# Altium PCB CMTestBoardV2.PcbDoc (part 2 of 2)
Units mil, origin at the board's own origin, x right, y up, seen from the top; angles counter-clockwise.
Board outline 3745.87 x 3955.48 mil, 4 copper layers (Top Layer, Layer 1, Layer 2, Bottom Layer), stack 22.4 mil thick; 99 components, 95 nets, 736 pads, 278 vias.
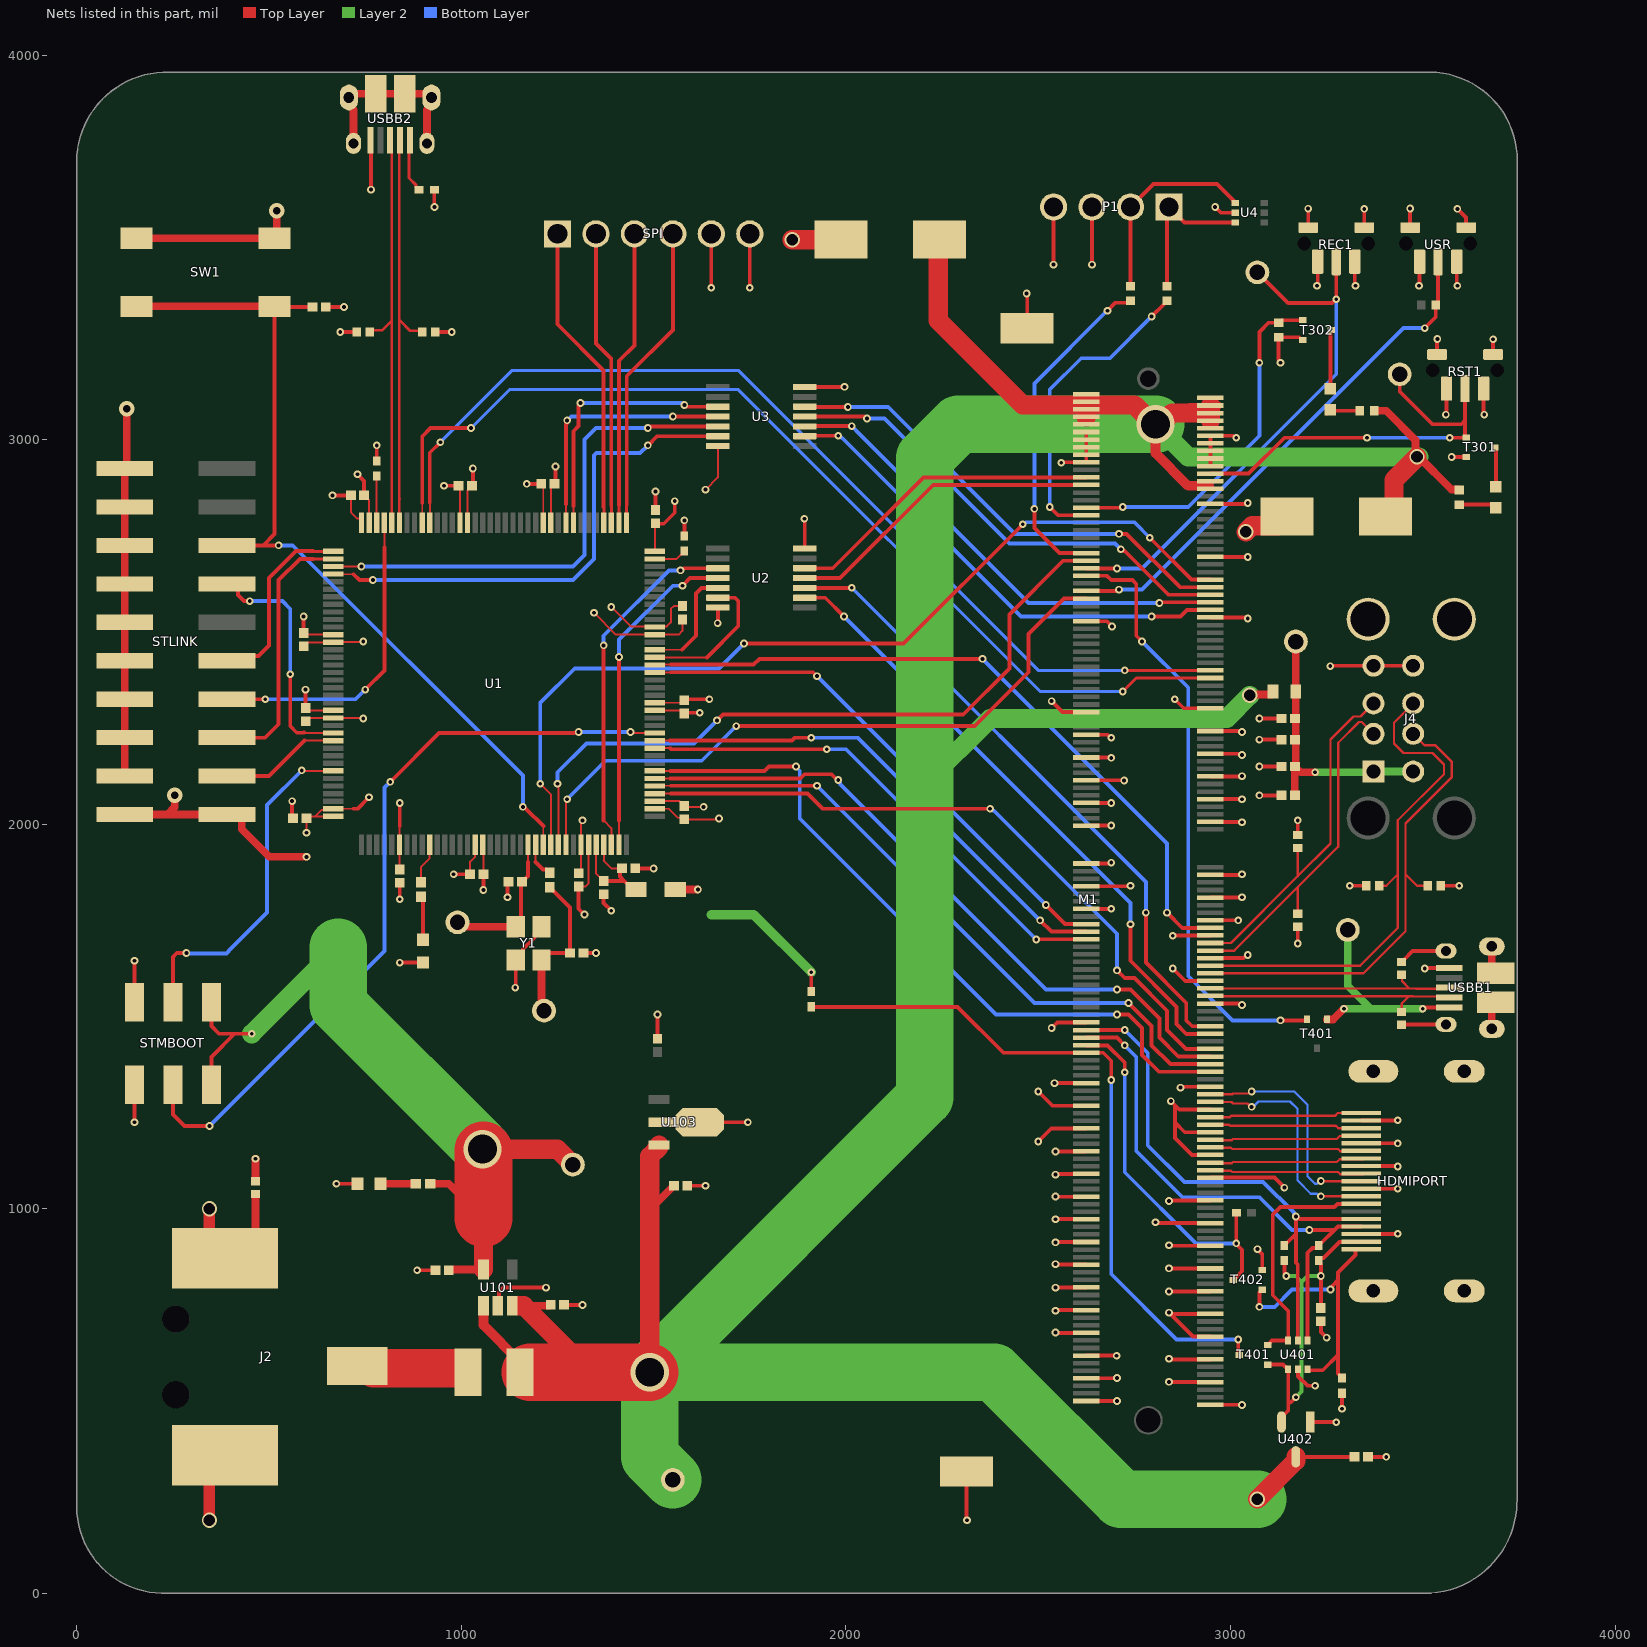
[diagram p4: the nets of this part, all layers, seen from the top]

## Via types
v1: diameter 20, hole 10, Top Layer to Bottom Layer, tented both sides, 245 vias
v2: diameter 40, hole 30, Top Layer to Bottom Layer, tented both sides, 11 vias
v3: diameter 20, hole 10, Top Layer to Bottom Layer, 10 vias
v4: diameter 150, hole 135, Top Layer to Bottom Layer, 4 vias
v5: diameter 100, hole 75, Top Layer to Bottom Layer, tented both sides, 3 vias
v6: diameter 40, hole 20, Top Layer to Bottom Layer, tented both sides, 3 vias
v7: diameter 40, hole 30, Top Layer to Bottom Layer, 2 vias

## Nets (pads, with @x,y where several pads share a name; then routed paths per layer and width w, separated by ;. In a path a pad name is that pad's centre, name@x,y a point inside that pad or via, vN(x,y) a via of type N, cw(c..) or ccw(c..) an arc to the next point about the centre after c; other vN are vias at no path point) (continued)
3.3V: C102.1 C206.1 C207.1 C208.1 C209.1 C210.1 C211.1 C212.1 C213.1 C214.1 C215.1 C216.1 C217.1 C218.1 FB1.1 R101.2 R404.2 STLINK.1 STLINK.2 STMBOOT.1 STMBOOT.2 TP2.1 U1.6 U1.17 U1.30 U1.39 U1.52 U1.62 U1.72 U1.84 U1.95 U1.108 U1.121 U1.131 U1.143 U1.144 U2.14 U3.14 U101.5 | length 5467.3
  Top Layer w5: C209.1@590,2462.68 590,2463.27 599.7,2472.97 666.4,2472.97 U1.121@666.69,2473.27 738.27,2473.27 v1@740,2475 ; v3(597.32,1977.68) C218.1@597.32,2015 602.83,2020.51 620,2020.51 ; C208.1@600,2276.42 U1.131@666.69,2276.42 743.58,2276.42 v1(745,2275) ; U1.144@666.69,2020.51 620,2020.51 ; C210.1@712.68,2855 712.68,2811.14 729.05,2794.77 736.12,2794.77 740.51,2790.38 U1.108@740.51,2783.31 ; 720,2040 719.8,2040.2 U1.143@666.69,2040.2 663.16,2036.67 636.15,2036.67 620,2020.51 ; C207.1@840,1882.32 838.94,1883.39 U1.6@838.94,1946.69 838.94,1993.94 840,1995 ; C211.1@992.68,2880 996.42,2876.26 U1.95@996.42,2783.31 ; U1.17@1055.47,1946.69 1057.32,1944.84 C206.1@1057.32,1870 ; C212.1@1207.68,2885 1212.95,2879.72 U1.84@1212.95,2783.31 ; C216.1@1305,1872.32 1311.38,1878.7 U1.30@1311.38,1946.69 1311.38,2002.32 1315,2005.94 v3(1315,2010) ; v1(1390,2565) 1440.55,2514.45 1534.45,2514.45 1545,2525 1545,2560 1552.32,2567.32 C213.1@1575,2567.32 ; U1.39@1503.31,2059.88 1567.37,2059.88 1569.63,2057.62 1570.3,2057.62 1580,2047.91 C215.1@1580,2047.32 1582.32,2045 v3(1630,2045) ; U1.52@1503.31,2315.79 1573.46,2315.79 C214.1@1580,2322.32 ; U1.72@1503.31,2709.49 C217.1@1503.31,2780.98 ; v3(1635,2870) 1667.01,2902.01 U3.14@1667.01,2983.23
  Top Layer w10: STMBOOT.2@350,1322.52 350,1395 410,1455 ; STMBOOT.1@350,1537.48 350,1475 370,1455 410,1455 ; v3(455,1455) 410,1455 ; v1(665,2855) C210.1@712.68,2855 ; 720,2040 730,2040 v1(760,2070) ; 840,1995 v1(840,2055) ; v1(955,2880) C211.1@992.68,2880 ; v1(1057.21,1829.13) 1057.32,1829.25 C206.1@1057.32,1870 ; v1(1170,2885) C212.1@1207.68,2885 ; C217.1@1503.31,2780.98 1503.67,2781.35 1526.35,2781.35 1555,2810 v1(1555,2840) ; C214.1@1580,2322.32 1582.68,2325 v1(1645,2325) ; v3(1666.51,2522.91) 1667.01,2523.41 U2.14@1667.01,2563.23 ; R404.2@1910,1564.69 v1(1910,1615)
  Top Layer w20: STLINK.2@132.97,2032.97 STLINK.2@125,2025 235,2025 ; v6(255,2075) 254.64,2074.64 254.64,2044.64 235,2025 ; v3(597.32,1915) 500.75,1915 428.72,1987.03 428.72,2015.31 419.03,2025 STLINK.1@390.75,2025 235,2025 ; R101.2@918.7,1065 967.6,1065 1057.6,975 ; C102.1@964.94,837.8 C102.1@970.12,837.8 ; 980.16,842.24 U101.5@1057.6,842.24 ; FB1.1@1556.18,1830 v1(1615,1830)
  Top Layer w50: U101.5@1057.6,842.24 1057.6,975 ; v5@1057.6,1152.4 v5(1055,1155) 1250,1155 TP2.1@1290,1115
  Top Layer w150: 1057.6,975 v5@1057.6,1152.4
  Layer 2 w25: 1650,1765 1760,1765 v1(1910,1615)
  Layer 2 w50: v3(455,1455) 680,1680
  Layer 2 w150: 680,1680 680,1530 v5(1055,1155)
  other v1: 745,2475
5V_COMPUTE: C101.1 C105.1 C301.1 C302.1 C405.1 F1.2 M1.235 M1.237 M1.251 M1.252 M1.253 M1.254 M1.255 M1.256 M1.257 M1.258 M1.259 M1.260 R305.1 R306.1 SJ401.2 TP1.1 U101.1 U101.3 U103.3 U402.3 | length 10837.8
  Top Layer w10: U402.3@3170,355 C405.1@3322.49,355
  Top Layer w20: U101.3@1132.4,747.76 1150,747.76 ; 1162.24,747.76 1229.84,747.76 1232.09,750 C101.1@1232.68,750 ; 1490,990 1490,997.32 1549.88,1057.2 1549.88,1057.8 1552.09,1060 C105.1@1552.68,1060 ; M1.255@2938.39,3069.69 2943.15,3069.69 2943.52,3068.1 M1.253@2947.83,3049.41 ; M1.257@2947.83,3088.78 M1.257@2968.19,3088.78 ; v2(3050,2335) 3052.28,2337.28 3106.69,2337.28 3110.47,2341.06 SJ401.2@3110.47,2345 ; R306.1@3373.9,3075 3405,3075 3481.17,2998.83 3481.17,2958.83 v2(3485,2955) ; v2@3487.5,2957.5 3574.88,2870.12 3593.78,2870.12 R305.1@3595,2868.9
  Top Layer w25: U101.1@1057.6,747.76 1057.6,697.28 1152.91,601.97 F1.2@1152.91,575 ; v5(2805,3040) 2805,2965 2890,2880 2945,2880
  Top Layer w50: 1150,747.76 1162.24,747.76 1335,575 ; v5(1490,575) 1490,990 ; 1490,997.32 1490,1136.66 1513.7,1160.36 U103.3@1513.7,1165.94 ; C301.1@2242.95,3520 2240,3517.05 2240,3310 2459.68,3090.32 2625,3090.32 ; M1.254@2625,3059.25 M1.256@2625,3078.94 2625,3090.32 ; M1.255@2938.39,3069.69 2896.74,3069.69 2896.15,3069.09 2847.62,3069.09 2818.53,3040 v5(2805,3040) 2800.71,3040 2750.55,3090.16 2682.83,3090.16 2682.67,3090.32 2625,3090.32 ; M1.253@2947.83,3049.41 M1.255@2947.83,3069.09 M1.257@2947.83,3088.78 ; v2(3070,245) 3170,345 U402.3@3170,355 ; C302.1@3402.95,2800 3424.92,2821.97 3424.92,2894.92 v2(3485,2955)
  Top Layer w150: F1.2@1180,575 1335,575 v5(1490,575)
  Layer 2 w50: 2205,2105 2375,2275 2990,2275 v2(3050,2335) ; v5(2805,3040) 2890,2955 v2(3485,2955) v2@3490,2955
  Layer 2 w150: TP1.1@1550,295 1490,355 v5(1490,575) ; v5(2805,3040) 2292.87,3040 2205,2952.13 2205,2105 2205,1290 v5(1490,575) ; v2(3070,245) 2715,245 2385,575 v5(1490,575)
#RECOVERY: M1.214 REC1.2 TP6.1 | length 1394.4
  Top Layer w10: M1.214@2625,2665.55 2625.55,2665 v1(2705,2665) ; TP6.1@3070,3435 3150,3355 3264.14,3355 3274.14,3365 v1(3275,3365) REC1.2@3275,3462.76
  Bottom Layer w10: v1(2705,2665) 2770,2665 3275,3170 v1(3275,3365)
#RESET: M1.239 RST1.2 T301.1 TP5.1 | length 1086.3
  Top Layer w10: M1.239@2947.83,2911.61 3046.61,2911.61 3140,3005 v3(3355,3005) ; TP5.1@3440,3170 3440,3125 3525,3040 3600,3040 3610,3050 ; v3(3570,3005) 3612.01,3005 T301.1@3612.6,3005.59 3610,3008.19 3610,3050 ; RST1.2@3610,3132.76 3610,3050
  Bottom Layer w10: v3(3355,3005) v3(3570,3005)
ADC_EN1V8: M1.124 U1.46 | length 1328.2
  Top Layer w5: U1.46@1503.31,2197.68 1542.68,2197.68
  Top Layer w10: 1542.68,2197.68 1545.35,2195 v1(1950,2195) ; v1(2495,1700) 2495.98,1700.98 M1.124@2625,1700.98
  Bottom Layer w10: v1(1950,2195) 2000,2195 v1(2495,1700)
BOOT0: STMBOOT.3 U1.138 | length 901.3
  Top Layer w5: v1(585,2140) 586.38,2138.62 U1.138@666.69,2138.62
  Top Layer w10: STMBOOT.3@250,1537.48 250,1655 260,1665 v1(285,1665)
  Bottom Layer w10: v1(285,1665) 286.52,1663.48 389.14,1663.48 395,1669.34 395,1670 495,1770 495,2050 v1(585,2140)
BOOT1: STMBOOT.4 U1.48 | length 2018
  Top Layer w5: v1(1440,2240) 1444.06,2240 1447.01,2237.05 U1.48@1503.31,2237.05
  Top Layer w10: STMBOOT.4@250,1322.52 250,1245 280,1215 v1(345,1215) ; v1(815,2110) 941.91,2236.91 1294.84,2236.91 1296.02,2238.09 1303.09,2238.09 v1(1305,2240)
  Bottom Layer w10: v1(345,1215) 800,1670 800,2095 v1(815,2110) ; v1(1305,2240) v1(1440,2240)
CBOX_RX_1.8: M1.238 U2.5 | length 829.8
  Top Layer w10: U2.5@1892.99,2665.59 1965.59,2665.59 2201.77,2901.77 M1.238@2625,2901.77
CBOX_RX_3.3: U1.34 U2.10 | length 920.5
  Top Layer w5: 1370,2010 1390.12,1989.88 U1.34@1390.12,1946.69
  Top Layer w10: 1370,2010 v1(1370,2465) ; v1(1570,2660) 1572.71,2660 1578.3,2665.59 U2.10@1667.01,2665.59
  Bottom Layer w10: v1(1370,2465) 1370,2490 1540,2660 v1@1569.14,2660
CBOX_TX_1.8: M1.236 U2.4 | length 832.3
  Top Layer w10: U2.4@1892.99,2640 1985,2640 2227.09,2882.09 M1.236@2625,2882.09
CBOX_TX_3.3: U1.35 U2.11 | length 856.7
  Top Layer w5: U1.35@1409.8,1946.69 1409.8,2009.8 1410,2010
  Top Layer w10: 1410,2010 v1(1410,2435) ; v1(1575,2620) 1595,2640 U2.11@1667.01,2640
  Bottom Layer w10: v1(1410,2435) 1410,2480 1550,2620 v1(1575,2620)
CEC: HDMIPORT.13 T401.2@3097.4,645.59 U401.6 | length 643.1
  Top Layer w10: T401.2@3096.95,646.04 3108.31,657.4 U401.6@3149.41,657.4 3150,657.99 3150,735 3110,775 3110,985 3130,1005 3270,1005 3277.83,1012.83 HDMIPORT.13@3340,1012.83
CHGND: D101.2 D201.2 D202.2 D401.2 D402.2 D403.2 D404.2 D405.2 D406.2 HDMIPORT.2 HDMIPORT.5 HDMIPORT.8 HDMIPORT.11 HDMIPORT.17 HDMIPORT.Shell J4.10 J4.12 REC1.SH1 REC1.SH2 RST1.SH1 RST1.SH2 U4.2 U401.2 USBB1.6 USBB1.7 USBB1.8 USBB1.9 USBB1.10 USBB1.11 USBB2.6 USBB2.7 USBB2.8 USBB2.9 USBB2.10 USBB2.11 USR.SH1 USR.SH2 | length 2156
  Top Layer w10: v1(685,3280) D202.2@728.27,3280 ; USBB2.8@717.56,3899.57 USBB2.8@707.72,3889.72 707.72,3869.8 719.53,3857.99 ; 910.47,3857.99 922.28,3869.8 USBB2.9@922.28,3889.72 USBB2.9@912.44,3899.57 ; D201.2@931.73,3280 v1(975,3280) ; v1(2960,3605) 2975,3590 U4.2@3012.6,3590 ; U401.2@3175,582.6 3175.67,581.93 3175.67,564.33 3200,540 v1(3220,540) ; v1(3175,1690) D403.2@3175,1733.27 ; D406.2@3175,1971.73 v1(3175,2010) ; v1(3201.85,3600.58) 3202.17,3600.26 REC1.SH1@3202.17,3551.34 ; v1(3310,1840) D405.2@3353.27,1840 ; HDMIPORT.17@3340,934.09 3434.09,934.09 v1(3435,935) ; HDMIPORT.11@3340,1052.2 3436.67,1052.2 v1@3436.97,1051.91 ; HDMIPORT.8@3340,1111.26 3433.74,1111.26 v1(3435,1110) ; HDMIPORT.5@3340,1170.31 3434.69,1170.31 v1(3435,1170) ; HDMIPORT.2@3340,1229.37 3429.37,1229.37 v1@3430,1230 ; REC1.SH2@3347.83,3551.34 v1(3347.83,3600.13) ; D401.2@3445,1478.27 3446.26,1479.53 USBB1.6@3560.43,1479.53 ; D402.2@3445,1641.73 3445.98,1641.73 3451.81,1647.56 3451.81,1648.54 3473.74,1670.47 USBB1.7@3560.43,1670.47 ; USR.SH1@3467.17,3551.34 v1(3467.21,3600.81) v1(3467.21,3600.81) ; RST1.SH1@3537.17,3221.34 3537.17,3261.18 v1(3537.89,3261.91) ; D404.2@3546.73,1840 v1(3595,1840) ; HDMIPORT.Shell@3574.71,809.12 3597.37,786.46 HDMIPORT.Shell@3607.72,786.46 ; HDMIPORT.Shell@3574.71,1334.66 3597.37,1357.32 HDMIPORT.Shell@3607.72,1357.32 ; v1(3590,3600) 3612.83,3577.17 USR.SH2@3612.83,3551.34 ; RST1.SH2@3682.83,3221.34 3682.83,3260.85 v1(3682.97,3260.98)
  Top Layer w20: D101.2@465,1071.73 v1(465,1130) ; USBB2.8@717.56,3899.57 USBB2.11@777.11,3899.57 USBB2.10@852.89,3899.57 USBB2.9@912.44,3899.57 ; USBB2.7@719.53,3770.43 719.53,3857.99 ; USBB2.6@910.47,3770.43 910.47,3857.99 ; USBB1.9@3679.72,1467.72 3679.72,1527.26 USBB1.10@3689.57,1537.11 ; USBB1.8@3679.72,1682.28 3679.72,1622.74 USBB1.11@3689.57,1612.89
  other v1: 3435,1051.91 3435,1230
COMMS_EN1V8: M1.127 U1.57 | length 1846.2
  Top Layer w5: U1.57@1503.31,2414.21 1504.09,2415 1545,2415
  Top Layer w10: 1545,2415 1760,2415 1775,2430 v1(2355,2430) ; v1(2835,1770) 2874.49,1730.51 M1.127@2947.83,1730.51
  Bottom Layer w10: v1(2355,2430) 2835,1950 v1(2835,1770)
CS: M1.95 U1.40 | length 1804.9
  Top Layer w5: U1.40@1503.31,2079.57 1503.74,2080 1545,2080
  Top Layer w10: 1545,2080 1900,2080 1940,2040 v1(2375,2040) ; v1(2705,1620) 2725,1600 2750,1600 2835,1515 2835,1465 2884.45,1415.55 M1.95@2947.83,1415.55
  Bottom Layer w10: v1(2375,2040) 2377.71,2040 2382.71,2035 2385,2035 2705,1715 v1(2705,1620)
CS2: SPI.4 U1.73 | length 801.6
  Top Layer w8: U1.73@1429.49,2783.31 1430,2783.82 1430,2830
  Top Layer w10: 1430,2830 1430,3165 1550,3285 SPI.4@1550,3535
GND: C101.2 C102.2 C105.2 C106.2 C201.2 C202.2 C203.2 C204.1 C205.1 C206.2 C207.2 C208.2 C209.2 C210.2 C211.2 C212.2 C213.2 C214.2 C215.2 C216.2 C217.2 C218.2 C219.2 C220.2 C301.2 C302.2 C401.2 C402.2 C403.2 C404.2 C405.2 C406.2 D101.1 DS201.2 J2.2 J2.3 J4.4 J4.8 M1.1 M1.2 M1.7 M1.8 M1.13 M1.14 M1.19 M1.20 M1.25 M1.26 M1.31 M1.32 M1.37 M1.38 M1.43 M1.44 M1.49 M1.50 M1.55 M1.56 M1.61 M1.62 M1.67 M1.68 M1.73 M1.74 M1.79 M1.80 M1.85 M1.86 M1.102 M1.107 M1.113 M1.119 M1.125 M1.129 M1.132 M1.135 M1.138 M1.141 M1.144 M1.146 M1.147 M1.152 M1.153 M1.158 M1.159 M1.164 M1.165 M1.170 M1.171 M1.176 M1.177 M1.200 M1.201 M1.217 M1.231 M1.241 M1.242 M1.243 M1.244 M1.245 M1.246 M1.247 M1.248 M1.249 M1.250 M1.261 M1.262 P1.3 P1.4 PWR.2 R22.2 R203.2 R307.1 REC1.1 REC1.3 RST1.1 RST1.3 SPI.5 SPI.6 STLINK.4 STLINK.6 STLINK.8 STLINK.10 STLINK.12 STLINK.14 STLINK.16 STLINK.18 STLINK.20 STMBOOT.5 STMBOOT.6 SW1.3 SW1.4 T301.2 T302.2 T402.2 U1.16 U1.31 U1.38 U1.51 U1.61 U1.83 U1.94 U1.107 U1.120 U1.130 U2.7 U3.7 U101.2 U103.2 U402.1 USBB1.5 USBB2.5 USR.1 USR.3 Y1.2 Y1.4 | length 13455.3
  Top Layer w5: C209.2@590,2497.32 594.37,2492.95 U1.120@666.69,2492.95 ; C208.2@600,2296.1 U1.130@666.69,2296.1 ; C210.2@747.32,2855 747.91,2855 757.62,2845.3 757.62,2844.7 760.2,2842.13 U1.107@760.2,2783.31 ; U1.94@1016.1,2783.31 1016.1,2867.37 1017.03,2868.29 1017.03,2870.3 C211.2@1026.73,2880 ; C206.2@1022.68,1870 1022.68,1902.68 1035.55,1915.55 1035.55,1946.45 U1.16@1035.79,1946.69 ; U1.83@1232.64,2783.31 1232.64,2875.32 C212.2@1242.32,2885 ; C216.2@1305,1837.68 1322.68,1837.68 1331.06,1846.06 U1.31@1331.06,1946.69 ; v1(1345,2550) 1402.05,2492.95 U1.61@1503.31,2492.95 1565.28,2492.95 1575,2502.68 C213.2@1575,2532.68 ; U1.38@1503.31,2040.2 1539.8,2040.2 1563.22,2016.78 1575.9,2016.78 C215.2@1580,2012.68 1667.68,2012.68 v1(1670,2015) ; U1.51@1503.31,2296.1 1571.57,2296.1 C214.2@1580,2287.68
  Top Layer w10: v1(150,1225) STMBOOT.6@150,1322.52 ; STMBOOT.5@150,1537.48 v1(150,1645) ; J2.3@310.31,344.09 J2.3@314.41,340 ; v1(560,2060) 560,2017.68 C218.2@562.68,2015 ; C209.2@590,2497.32 v1(590,2540) ; C208.2@595,2302.32 v1(595,2350) ; C203.2@647.32,3345 v1(695,3345) ; v1(675,1065) PWR.2@730.47,1065 ; v1(730,2910) 747.32,2892.68 C210.2@747.32,2855 ; v1(765,3650) USBB2.5@765,3778.5 ; C204.1@780,2944.68 v1(780,2985) ; v1(840,1640) DS201.2@901.38,1640 ; v1(840,1805) C207.2@840,1847.68 ; v1(885,840) C102.2@932.68,840 ; R203.2@929.75,3649.94 929.75,3605.25 v1(930,3605) ; v1(980,1870) 1017.32,1870 1020,1867.32 C206.2@1022.68,1870 ; C211.2@1026.73,2880 1030,2883.27 v1(1030,2925) ; U101.2@1095,747.76 1097.49,750.24 1097.49,782.49 1110,795 v1(1220,795) ; v1(1120,1810) 1120,1847.32 C202.2@1122.68,1850 ; v1(1140,1575) 1141.54,1576.54 Y1.4@1141.54,1646.69 1160.16,1665.32 1160.16,1675.16 1189.84,1704.84 1189.84,1714.68 Y1.2@1208.46,1733.31 ; C212.2@1242.32,2885 1245,2887.68 v1(1245,2930) ; C101.2@1267.32,750 v1(1315,750) ; C216.2@1305,1837.68 1305,1780 v1(1320,1765) ; C201.2@1317.32,1665 v3(1350,1665) ; C220.2@1370,1817.68 1370,1795 v1(1390,1775) ; C219.2@1452.32,1885 v1(1500,1885) ; C217.2@1505,2817.32 v1(1505,2865) ; C106.2@1510,1442.32 v1(1510,1505) ; C214.2@1580,2287.68 1582.32,2290 v1(1620,2290) ; C205.1@1580,2749.68 v1(1580,2790) ; C105.2@1587.32,1060 v1(1635,1060) ; U103.2@1620,1225 v1(1745,1225) ; v1(1650,3395) SPI.5@1650,3535 ; v1(1750,3395) SPI.6@1750,3535 ; v1(1891.95,2794.31) 1892.99,2793.27 U2.7@1892.99,2716.77 ; U3.7@1892.99,3136.77 1996.12,3136.77 v1(1996.51,3137.16) ; M1.262@2313.98,317.13 2313.98,191.02 v1(2315,190) ; v1(2470,3380) 2471.46,3378.54 M1.261@2471.46,3289.57 ; v1(2500,1175) 2533.86,1208.86 M1.74@2625,1208.86 ; v1(2500,1305) 2537.09,1267.91 M1.80@2625,1267.91 ; v1(2535,1470) 2549.45,1484.45 M1.102@2625,1484.45 ; v1(2535,2320) 2563.46,2291.54 M1.176@2625,2291.54 ; v1(2540,3455) P1.4@2540,3605 ; v1(2542.59,1326.66) 2542.9,1326.97 M1.86@2625,1326.97 ; v1@2543.62,1149.23 M1.68@2623.15,1149.23 ; v1@2544.34,1031.12 M1.56@2623.15,1031.12 ; v1@2544.57,1090.18 M1.62@2623.15,1090.18 ; v1@2545,735 2546.42,736.42 M1.26@2625,736.42 ; v1@2545,795 2545.47,795.47 M1.32@2625,795.47 ; v1(2545.14,678.41) 2546.19,677.36 M1.20@2625,677.36 ; v1@2545.3,973.05 M1.50@2624.83,973.05 ; v1@2546.02,854.94 M1.38@2624.83,854.94 ; v1@2546.25,913.99 M1.44@2624.83,913.99 ; v1(2560,2940) 2561.14,2941.14 M1.242@2625,2941.14 M1.244@2625,2960.83 M1.246@2625,2980.51 M1.248@2625,3000.2 M1.250@2625,3019.88 ; M1.2@2625,500.2 2704.8,500.2 v1(2705,500) ; M1.8@2625,559.25 2704.25,559.25 v1(2705,560) ; M1.14@2625,618.31 2703.44,618.31 v1(2703.98,617.77) ; M1.132@2625,1779.72 2689.72,1779.72 v1(2690,1780) ; M1.138@2625,1838.78 2738.78,1838.78 v1(2740,1840) ; M1.144@2625,1897.84 2685.13,1897.84 2687.29,1900 v1(2690,1900) ; M1.152@2625,2055.31 2689.69,2055.31 v1(2690,2055) ; M1.158@2625,2114.37 2722.74,2114.37 v1(2723.38,2113.74) ; M1.164@2625,2173.43 2694.23,2173.43 v1@2695.14,2172.51 ; M1.170@2625,2232.48 2679.81,2232.48 2687.29,2225 v1(2690,2225) ; M1.200@2625,2527.76 2678.42,2527.76 v1(2692,2514.18) ; M1.146@2625.21,1996.47 v1(2690,1996.47) ; v1(2640,3455) P1.3@2640,3605 ; v1(2805,965) 2807.71,965 2809.91,962.8 M1.49@2947.83,962.8 ; v1(2840,550) 2840.59,549.41 M1.7@2947.83,549.41 ; v1(2840,610) 2841.54,608.46 M1.13@2947.83,608.46 ; v1(2840,785) 2947.2,785 M1.31@2947.83,785.63 ; v1(2840,845) 2840.31,844.69 M1.37@2947.83,844.69 ; v1(2840,905) 2841.26,903.74 M1.43@2947.83,903.74 ; v1(2840,1020) 2841.85,1021.85 M1.55@2947.83,1021.85 ; v1(2845,1280) 2855.96,1269.04 ; v1(2850,1625) 2882.28,1592.72 M1.113@2947.83,1592.72 ; v1(2850,1710) 2850.83,1710.83 M1.125@2947.83,1710.83 ; v1(2855,2325) 2878.62,2301.38 M1.177@2947.83,2301.38 ; v1(2870,1315) 2872.71,1315 2874.83,1317.13 M1.85@2947.83,1317.13 ; M1.1@2947.83,490.35 3029.65,490.35 v1(3030,490) ; M1.19@2947.83,667.52 2902.48,667.52 v1(2840,730) 2842.71,730 2846.13,726.57 M1.25@2947.83,726.57 ; M1.61@2947.83,1080.91 3114.09,1080.91 v1(3140,1055) ; M1.67@2947.83,1139.96 2900.04,1139.96 2855.96,1184.04 2855.96,1224.04 ; M1.73@2947.83,1199.02 2880.98,1199.02 2855.96,1224.04 ; M1.79@2947.83,1258.07 2866.93,1258.07 2855.96,1269.04 ; M1.107@2947.83,1533.66 3023.63,1533.66 3027.29,1530 v1(3030,1530) ; M1.119@2947.83,1651.77 3034.14,1651.77 3042.37,1660 v1(3045,1660) ; M1.129@2947.83,1750.2 3019.8,1750.2 v1(3020,1750) ; M1.135@2947.83,1809.25 3029.25,1809.25 v1(3030,1810) ; M1.141@2947.83,1868.31 3028.31,1868.31 v1(3030,1870) ; M1.147@2947.83,2006.1 3028.9,2006.1 v1(3030,2005) ; M1.153@2947.83,2065.16 3029.84,2065.16 v1(3030,2065) ; M1.159@2947.83,2124.21 3029.21,2124.21 v1(3030,2125) ; M1.165@2947.83,2183.27 3019.66,2183.27 3021.02,2181.91 3028.09,2181.91 v1(3030,2180) ; M1.171@2947.83,2242.32 3024.97,2242.32 3027.29,2240 v1(3030,2240) ; M1.201@2947.83,2537.6 3039.7,2537.6 3042.29,2535 v1(3045,2535) ; M1.217@2947.83,2695.08 3044.92,2695.08 v1(3045,2695) ; M1.231@2947.83,2832.87 3040.17,2832.87 3042.29,2835 v1(3045,2835) ; M1.241@2947.83,2931.3 M1.243@2947.83,2950.98 M1.245@2947.83,2970.67 M1.247@2947.83,2990.35 M1.249@2947.83,3010.04 3007.25,3010.04 3012.29,3005 v1(3015,3005) ; v1(3070,895) 3082.4,882.6 T402.2@3082.4,840.59 ; v1(3075,2075) C401.2@3132.68,2075 ; v1(3075,2150) C402.2@3132.68,2150 ; v1(3075,2220) C403.2@3132.68,2220 ; v1(3075,2275) C404.2@3132.68,2275 ; v1(3130,3200) 3130,3202.71 3125,3207.71 R307.1@3125,3266.1 3178.94,3266.1 3185.63,3259.41 T302.2@3187.6,3259.41 ; U402.1@3207.4,445.59 3274.41,445.59 v1(3275,445) ; v1(3225,3400) 3226.77,3401.77 REC1.3@3226.77,3462.76 ; C406.2@3235,707.68 3235,680 v1(3250,665) ; v1(3259.48,2410.99) 3260.49,2412 J4.4@3372,2412 J4.8@3475,2412 ; v1(3290,480) R22.2@3290,520.31 ; REC1.1@3323.23,3462.76 3323.23,3401.77 v1(3325,3400) ; C405.2@3357.32,355 v1(3405,355) ; v1(3490,3400) 3491.77,3401.77 USR.3@3491.77,3462.76 ; v1(3505,1625) 3506.18,1626.18 USBB1.5@3568.5,1626.18 ; v1(3560,3065) 3561.77,3066.77 RST1.3@3561.77,3132.76 ; v1(3575,2955) 3575.59,2954.41 T301.2@3612.6,2954.41 ; USR.1@3588.23,3462.76 3588.23,3401.77 v1(3590,3400) ; RST1.1@3658.23,3132.76 3658.23,3066.77 v1(3660,3065) ; 2855.96,1224.04 2855.96,1269.04
  Top Layer w20: STLINK.4@125,2125 STLINK.6@125,2225 STLINK.8@125,2325 STLINK.10@125,2425 STLINK.12@125,2525 STLINK.14@125,2625 STLINK.16@125,2725 STLINK.18@125,2825 STLINK.20@125,2925 130,2930 v6(130,3080) ; SW1.3@155.5,3523.5 SW1.4@514.5,3523.5 520,3529 v6(520,3595) ; J2.2@385.31,870.91 396.26,870.91 465,939.65 D101.1@465,1038.27
  Top Layer w30: J2.2@310.31,855.91 345,890.59 v2(345,1000) ; J2.3@314.41,340 355,299.41 345,289.41 v2(345,190)
  Top Layer w50: v7(1860,3520) C301.2@1987.05,3520 ; v7(3040,2760) 3055.79,2775.79 3122.83,2775.79 C302.2@3147.05,2800
  other v1: 2545.14,735 2545.14,795 2545.14,855.99 2545.14,912.58 2545.14,972.58 2545.14,1032.17 2545.14,1088.76 2545.14,1148.76 2690,2172.51
GPIO1: M1.206 U1.28 | length 1744.3
  Top Layer w5: U1.28@1272.01,1946.69 1272.01,2057.95 1275,2060.94 v1(1275,2065)
  Top Layer w10: v1(1715,2255) 2335,2255 2475,2395 2475,2495 2566.81,2586.81 M1.206@2625,2586.81
  Bottom Layer w10: v1(1275,2065) 1375,2165 1625,2165 v1(1715,2255)
GPIO2: M1.211 U1.26 | length 2379
  Top Layer w5: v1(1205,2105) 1232.64,2077.36 U1.26@1232.64,1946.69
  Top Layer w10: v1(1735,2470) 2150,2470 v1(2460,2780) ; v1(2790,2745) 2898.98,2636.02 M1.211@2947.83,2636.02
  Bottom Layer w10: v1(1205,2105) 1205,2315 1295,2405 1670,2405 v1(1735,2470) ; v1(2460,2780) 2462.71,2780 2467.71,2785 2750,2785 v1(2790,2745)
GPIO3: M1.216 U1.27 | length 1874.2
  Top Layer w5: v1(1250,2105) 1252.32,2102.68 U1.27@1252.32,1946.69
  Top Layer w10: v1(1665,2270) 1680,2285 2305,2285 2425,2405 2425,2545 2565.24,2685.24 M1.216@2625,2685.24
  Bottom Layer w10: v1(1250,2105) 1250,2135 1325,2210 1605,2210 v1(1665,2270)
GPIO4: M1.218 R302.1 | length 869.9
  Top Layer w10: v1(2490,2820) 2490,2770 2555.08,2704.92 M1.218@2625,2704.92 ; v1(2680,3335) 2701.1,3356.1 R302.1@2735,3356.1
  Bottom Layer w10: v1(2490,2820) 2490,3145.86 2679.14,3335 v1(2680,3335)
GPIO4A: P1.2 R302.2 U4.1 | length 491.2
  Top Layer w10: R302.2@2740,3398.9 P1.2@2740,3570 ; P1.2@2740,3605 2800,3665 2965,3665 3007.76,3622.24 3007.76,3618.46 3010.63,3615.59 U4.1@3012.6,3615.59
GPIO5: M1.228 R301.1 | length 799
  Top Layer w10: v1(2530,2825) 2551.65,2803.35 M1.228@2625,2803.35 ; v1(2795,3320) R301.1@2827.8,3352.8
  Bottom Layer w10: v1(2530,2825) 2530,3130 2611.78,3211.78 2686.78,3211.78 v1(2795,3320)
GPIO5A: P1.1 R301.2 U4.3 | length 360.5
  Top Layer w10: R301.2@2835,3403.9 P1.1@2835,3575 ; P1.1@2840,3605 2880.59,3564.41 U4.3@3012.6,3564.41
GPS_EN1V8: M1.126 U1.47 | length 1333.8
  Top Layer w5: U1.47@1503.31,2217.36 1542.36,2217.36
  Top Layer w10: 1542.36,2217.36 1859.66,2217.36 1867.29,2225 v1(1910,2225) ; v1(2505,1750) 2534.33,1720.67 M1.126@2625,1720.67
  Bottom Layer w10: v1(1910,2225) 2030,2225 v1(2505,1750)
GPS_RX_1.8: M1.101 U2.3 | length 1676.8
  Top Layer w10: U2.3@1892.99,2614.41 2014.41,2614.41 v1(2015,2615) ; v1(2780,1770) 2780,1640 2885,1535 2885,1490 2900.39,1474.61 M1.101@2947.83,1474.61
  Bottom Layer w10: v1(2015,2615) 2780,1850 v1(2780,1770)
GPS_RX_3.3: U1.59 U2.12 | length 294.8
  Top Layer w5: U1.59@1503.31,2453.58 1573.58,2453.58
  Top Layer w10: 1573.58,2453.58 1610,2490 1610,2600 1624.41,2614.41 U2.12@1667.01,2614.41
GPS_TX_1.8: M1.99 U2.2 | length 1638.7
  Top Layer w10: U2.2@1892.99,2588.82 1946.18,2588.82 v1(1995,2540) ; v1(2740,1740) 2740,1645 2860,1525 2860,1480 2885.08,1454.92 M1.99@2947.83,1454.92
  Bottom Layer w10: v1(1995,2540) 2740,1795 v1(2740,1740)
GPS_TX_3.3: U1.58 U2.13 | length 371.9
  Top Layer w5: U1.58@1503.31,2433.9 1638.9,2433.9
  Top Layer w10: 1638.9,2433.9 1720,2515 1720,2580 1711.18,2588.82 U2.13@1667.01,2588.82
H5V: C406.1 HDMIPORT.18 R401.2 R402.2 T401.1@3097.4,594.41 U401.1 U402.2 | length 947
  Top Layer w10: T401.1@3097.4,595.32 3136.69,595.32 3144.57,587.44 3146.54,587.44 3149.41,584.57 U401.1@3149.41,582.6 ; U402.2@3126.75,437.32 3132.6,443.18 U402.2@3132.6,445.59 3132.6,458.53 3142.32,468.25 3143.55,468.25 3150,474.7 3150,495.59 ; R402.2@3140,865.31 3140,832.71 3145,827.71 v1(3145,825) ; U401.1@3150,582.01 3150,495.59 ; v1(3170,510) 3155.59,495.59 3150,495.59 ; C406.1@3235,742.32 v1(3235,825) 3235,852.65 3234.84,852.8 3234.84,860.47 R401.2@3230,865.31 3230,867.28 3234.84,872.13 3242.13,872.13 3283.9,913.9 3339.49,913.9 HDMIPORT.18@3340,914.41
  Layer 2 w10: v1(3145,825) 3170,825 3185,810 ; v1(3170,510) 3185,525 3185,810 ; v1(3235,825) 3200,825 3185,810
HDMI_CEC: M1.94 R404.1 T401.3@3022.6,620 | length 1830.3
  Top Layer w10: R404.1@1910,1525.32 1910.31,1525 2290,1525 2409.29,1405.71 M1.94@2625,1405.71 2669.29,1405.71 2690,1385 v1(2690,1335) ; T401.3@3020,621.53 v1@3020,659.14
  Bottom Layer w10: v1@2690,1334.14 2690,830 2860,660 v1(3020,660)
HDMI_CLK_N: HDMIPORT.12 M1.81 | length 614.6
  Top Layer w6: M1.81@2947.83,1277.76 3002.61,1277.76 3006.5,1273.87 3044.49,1273.87 3053.35,1265 v1(3055,1265) ; v1(3235,1032.2) 3235.31,1032.52 HDMIPORT.12@3340,1032.52
  Bottom Layer w6: v1(3055,1265) 3058.51,1265 3072.51,1279 3155,1279 3174,1260 3174,1073.95 3208.75,1039.2 3224.49,1039.2 3231.49,1032.2 v1(3235,1032.2)
HDMI_CLK_P: HDMIPORT.10 M1.83 | length 606.6
  Top Layer w6: M1.83@2947.83,1297.44 3004.07,1297.44 3006.5,1299.87 3046.08,1299.87 3051.21,1305 v1(3055,1305) ; v1(3235,1072.2) 3235.31,1071.89 HDMIPORT.10@3340,1071.89
  Bottom Layer w6: v1(3055,1305) 3165.77,1305 3200,1270.77 3200,1084.72 3219.51,1065.2 3224.49,1065.2 3231.49,1072.2 v1(3235,1072.2)
HDMI_D0_N: HDMIPORT.9 M1.63 | length 396.4
  Top Layer w6: M1.63@2947.83,1100.59 M1.63@2948.18,1100.93 ; M1.63@2952.83,1098.7 3001.3,1098.7 3004.46,1095.54 3279.46,1095.54 3285.31,1089.68 HDMIPORT.9@3345,1089.68
HDMI_D0_P: HDMIPORT.7 M1.65 | length 397.1
  Top Layer w6: M1.65@2947.83,1120.28 M1.65@2948.18,1119.93 ; M1.65@2952.83,1118.39 3003.39,1118.39 3006.54,1121.54 3276.54,1121.54 3284.06,1129.06 HDMIPORT.7@3345,1129.06
HDMI_D1_N: HDMIPORT.6 M1.69 | length 396.4
  Top Layer w6: M1.69@2947.83,1159.65 M1.69@2948.18,1159.99 ; M1.69@2952.83,1158.7 3001.3,1158.7 3004.46,1155.54 3279.46,1155.54 3285.31,1149.68 HDMIPORT.6@3345,1149.68
HDMI_D1_P: HDMIPORT.4 M1.71 | length 397.1
  Top Layer w6: M1.71@2947.83,1179.33 M1.71@2948.18,1178.99 ; M1.71@2952.83,1178.39 3003.39,1178.39 3006.54,1181.54 3276.54,1181.54 3284.06,1189.06 HDMIPORT.4@3345,1189.06
HDMI_D2_N: HDMIPORT.3 M1.75 | length 395.9
  Top Layer w6: M1.75@2947.83,1218.7 2996.3,1218.7 2999.46,1215.54 3274.46,1215.54 3280.31,1209.68 HDMIPORT.3@3340,1209.68
HDMI_D2_P: HDMIPORT.1 M1.77 | length 396.6
  Top Layer w6: M1.77@2947.83,1238.39 2998.39,1238.39 3001.54,1241.54 3271.54,1241.54 3279.06,1249.06 HDMIPORT.1@3340,1249.06
HDMI_HPD_N_1V8: M1.96 R403.2 T402.3 | length 961.1
  Top Layer w10: M1.96@2625,1425.39 2625.39,1425 2680,1425 2725,1380 v1(2725,1355) ; T402.3@3007.6,815 3030,837.4 3030,893.55 3015,908.55 v1(3015,910) 3015,989.68 R403.2@3015.31,990
  Bottom Layer w10: v1(2725,1355) 2725,1095 2910,910 v1(3015,910)
HDMI_SCL: HDMIPORT.15 M1.100 R402.1 U401.5 | length 1430.5
  Top Layer w10: M1.100@2625,1464.76 2625.24,1465 v1(2725,1465) ; R402.1@3140,904.68 3140,906.65 3144.84,911.5 3146.81,911.5 3170,934.68 ; U401.5@3175,657.4 3175,855 3170,860 3170,934.68 ; HDMIPORT.15@3340,973.46 3179.24,973.46 3172.71,980 v1(3170,980) 3170,934.68
  Bottom Layer w10: v1(2725,1465) 2785,1405 2785,1165 2880,1070 3085,1070 3165,990 3165,987.71 3170,982.71 v1(3170,980)
HDMI_SDA: HDMIPORT.16 M1.98 R401.1 U401.4 | length 1393.7
  Top Layer w10: M1.98@2625,1445.08 2704.92,1445.08 v1(2725,1425) ; U401.4@3200.59,657.4 3200.59,885.59 3213.41,898.41 3225.16,898.41 3230,903.25 R401.1@3230,904.68 3230,906.65 3234.84,911.5 3236.81,911.5 3270.16,944.84 ; v1(3205,945) 3270,945 3270.16,944.84 ; HDMIPORT.16@3340,953.78 3279.09,953.78 3270.16,944.84
  Bottom Layer w10: v1(2725,1425) 2755,1395 2755,1150 2875,1030 3075,1030 3160,945 v1(3205,945)
HPD: HDMIPORT.19 R22.1 T402.1 U401.3 | length 753.8
  Top Layer w10: v1(3075,745) 3075,782.01 T402.1@3082.4,789.41 ; U401.3@3200.59,582.6 3203.19,580 3240,580 3280,620 ; v1(3260,790) 3260,792.71 3265,797.71 3265,800 3280,815 ; R22.1@3290,559.68 3290,561.65 3280,571.65 3280,620 ; HDMIPORT.19@3340,894.72 3325.86,894.72 3325.35,894.21 3325.35,880.07 3280,834.72 3280,815 ; 3280,620 3280,815
  Bottom Layer w10: v1(3075,745) 3115,745 3160,790 v1(3260,790)
JTCK: STLINK.9 U1.109 | length 496.7
  Top Layer w8: 615,2710 615.51,2709.49 U1.109@666.69,2709.49
  Top Layer w10: STLINK.9@390.75,2425 403.48,2437.73 472.73,2437.73 500,2465 500,2640 570,2710 615,2710
JTDI: STLINK.5 U1.110 | length 688.3
  Top Layer w8: 615,2690 615.2,2689.8 U1.110@666.69,2689.8
  Top Layer w10: STLINK.5@390.75,2225 490,2225 525,2260 525,2635 580,2690 615,2690
JTDO: STLINK.13 U1.133 | length 623.8
  Top Layer w5: 591.93,2237.05 U1.133@666.69,2237.05
  Top Layer w8: 590.83,2238.14 591.93,2237.05
  Top Layer w10: STLINK.13@390.75,2625 404.89,2625 419.58,2610.31 419.58,2596.17 435.2,2580.55 449.45,2580.55 v1(450,2580) ; v1(555,2390) 555,2254.96 572.06,2237.89 590.59,2237.89 590.83,2238.14
  Bottom Layer w10: v1(450,2580) 535,2580 555,2560 v1(555,2390)
JTMS: STLINK.7 U1.105 | length 823.8
  Top Layer w5: 800,2720 U1.105@800,2782.87
  Top Layer w8: U1.105@799.57,2783.31 U1.105@800,2782.87
  Top Layer w10: STLINK.7@390.75,2325 v1(490,2325) ; v1(750,2350) 800,2400 800,2720
  Bottom Layer w10: v1(490,2325) 725,2325 v1(750,2350)
JTRST: STLINK.3 U1.134 | length 314.3
  Top Layer w5: 592.64,2217.36 U1.134@666.69,2217.36
  Top Layer w8: 592.5,2217.5 592.64,2217.36
  Top Layer w10: STLINK.3@390.75,2125 500,2125 592.5,2217.5
LED1: R201.2 U1.10 | length 107.4
  Top Layer w5: R201.2@895,1848.7 895,1888.7 917.68,1911.38 U1.10@917.68,1946.69
MISO: M1.93 U1.42 | length 1785.4
  Top Layer w5: U1.42@1503.31,2118.94 1543.94,2118.94
  Top Layer w10: 1543.94,2118.94 1881.23,2118.94 1892.29,2130 1962.29,2130 1977.29,2115 v1(1980,2115) ; v1(2705,1570) 2740,1570 2815,1495 2815,1445 2864.13,1395.87 M1.93@2947.83,1395.87
  Bottom Layer w10: v1(1980,2115) 1980,2112.29 1985,2107.29 1985,2105 2520,1570 v1(2705,1570)
MISO2: SPI.2 U1.75 | length 768.3
  Top Layer w8: 1390,2828.31 1390,2783.43 U1.75@1390.12,2783.31
  Top Layer w10: SPI.2@1350,3535 1350,3250 1390,3210 1390,2828.31
MOSI: M1.89 U1.43 | length 1892.1
  Top Layer w5: U1.43@1503.31,2138.62 1543.62,2138.62
  Top Layer w10: 1543.62,2138.62 1788.62,2138.62 1800,2150 v1(1870,2150) ; v1(2705,1505) 2735,1505 2770,1470 2770,1400 2813.5,1356.5 M1.89@2947.83,1356.5
  Bottom Layer w10: v1(1870,2150) 1870,2149.14 1880,2139.14 1880,2015 2390,1505 v1(2705,1505)
MOSI2: SPI.1 U1.76 | length 801.6
  Top Layer w8: 1370,2825 1370.43,2824.57 U1.76@1370.43,2783.31
  Top Layer w10: SPI.1@1250,3535 1250,3300 1370,3180 1370,2825
NetBOOT_A: BOOT.A R305.2 | length 100.5
  Top Layer w10: R305.2@3596.4,2832.5 R305.2@3595,2831.1 3681.4,2831.1 BOOT.A@3690,2822.5
NetBOOT_K: BOOT.K T301.3 | length 103.6
  Top Layer w10: T301.3@3687.4,2980 3690,2977.4 BOOT.K@3690,2877.5
NetC204_2: C204.2 U1.106 | length 122.1
  Top Layer w5: U1.106@779.88,2783.31 779.88,2905.2 C204.2@780,2905.31
NetC205_2: C205.2 U1.71 | length 86.3
  Top Layer w5: U1.71@1503.31,2689.8 1559.49,2689.8 1570.69,2701 1572.66,2701 1580,2708.35 C205.2@1580,2710.31
NetDS201_1: DS201.1 R201.1 | length 117.1
  Top Layer w10: R201.1@895,1811.3 900,1806.3 DS201.1@900,1696.26
NetF1_1: F1.1 J2.1 | length 222.6
  Top Layer w100: J2.1@772.36,585 F1.1@995,585
NetPWR_1: PWR.1 R101.1 | length 91.8
  Top Layer w20: PWR.1@789.52,1065 R101.1@881.3,1065
NetR202_2: R202.2 U1.24 | length 93.9
  Top Layer w5: 1193.27,1901.73 U1.24@1193.27,1946.69
  Top Layer w10: 1193.27,1901.73 1212.52,1882.48 1222.2,1882.48 1230,1874.69 R202.2@1230,1873.7
NetR203_1: R203.1 USBB2.1 | length 144.7
  Top Layer w8: USBB2.1@863.96,3782.65 863.96,3680.29 882.5,3661.75 882.5,3655.84 888.35,3650 R203.1@890.32,3650
NetR306_2: R306.2 USER.A | length 90.4
  Top Layer w10: USER.A@3250.64,3068.14 USER.A@3260,3077.5 3262.5,3075 R306.2@3336.1,3075
NetT302_3: T302.3 USER.K | length 148.5
  Top Layer w10: T302.3@3257.6,3280 3260,3277.6 USER.K@3260,3132.5
NRST: C203.1 STLINK.15 SW1.1 SW1.2 U1.25 | length 2312.6
  Top Layer w5: U1.25@1212.95,1946.69 1212.95,1994.76
  Top Layer w8: 1212.95,1994.76 1213.19,1995
  Top Layer w10: STLINK.15@390.75,2725 485,2725 ; v1(525,2725) 485,2725 ; C203.1@612.68,3345 516,3345 SW1.2@514.5,3346.5 514.5,2754.5 485,2725 ; v1(1160,2045) 1162.71,2045 1167.71,2040 1168.19,2040 1213.19,1995
  Top Layer w20: SW1.1@155.5,3346.5 SW1.2@514.5,3346.5
  Bottom Layer w10: v1(525,2725) 561.62,2725 1160,2126.62 v1(1160,2045)
OSC_IN: C202.1 TP3.1 U1.23 Y1.3 | length 383.4
  Top Layer w5: 1173.58,1901.42 U1.23@1173.58,1946.69
  Top Layer w10: Y1.3@1141.54,1733.31 1155,1746.77 1155,1847.68 C202.1@1157.32,1850 1157.91,1850 1173.58,1865.67 1173.58,1901.42
  Top Layer w20: TP3.1@990,1745 1001.31,1745 1013.01,1733.31 Y1.3@1141.54,1733.31
OSC_OUT: C201.1 R202.1 TP4.1 Y1.1 | length 409.5
  Top Layer w10: Y1.1@1208.46,1646.69 1208.46,1650.63 1222.83,1665 C201.1@1280,1665 ; R202.1@1230,1836.3 1230,1835.31 1237.8,1827.52 1238.78,1827.52 1282.68,1783.62 C201.1@1282.68,1665
  Top Layer w20: Y1.1@1208.46,1646.69 1208.46,1521.54 TP4.1@1215,1515
OTG_USB_N: D401.1 M1.109 USBB1.2 | length 671.9
  Top Layer w6: M1.109@2947.83,1553.35 2948.15,1553.03 3465,1553.03 ; D401.1@3445,1511.73 3445,1533.03 3465,1553.03 ; USBB1.2@3568.5,1549.41 3565.71,1552.2 3473.89,1552.2 3473.06,1553.03 3465,1553.03
OTG_USB_P: D402.1 M1.111 USBB1.3 | length 665.7
  Top Layer w6: M1.111@2947.83,1573.03 3465,1573.03 ; D402.1@3445,1608.27 3446.08,1607.19 3446.08,1591.96 3465,1573.03 ; USBB1.3@3568.5,1575 3565.71,1572.2 3482.17,1572.2 3481.35,1573.03 3465,1573.03
OTG_VBUS: M1.212 T401.2@3199.41,1492.4 | length 1572.6
  Top Layer w10: M1.212@2625,2645.87 2679.13,2645.87 2690,2635 2745,2635 2755,2625 2755,2490 v1(2770,2475) ; v1(3130,1490) 3197.01,1490 T401.2@3199.41,1492.4
  Bottom Layer w10: v1(2770,2475) 2890,2355 2890,1605 3005,1490 v1(3130,1490)
SARA_CTS_1.8: M1.209 U3.5 | length 1249.2
  Top Layer w10: U3.5@1892.99,3085.59 1893.58,3085 v1(2005,3085) ; v1(2710,2755) 2730,2755 2868.66,2616.34 M1.209@2947.83,2616.34
  Bottom Layer w10: v1(2005,3085) 2110,3085 2440,2755 v1(2710,2755)
SARA_CTS_3.3: U1.80 U3.10 | length 680.2
  Top Layer w5: U1.80@1291.69,2783.31 1291.69,2826.69
  Top Layer w10: 1291.69,2826.69 1291.69,3021.69 1305,3035 1305,3087.29 1310,3092.29 v1(1310,3095) ; v1(1580,3090) 1582.71,3090 1587.12,3085.59 U3.10@1667.01,3085.59
  Bottom Layer w10: v1(1310,3095) 1572.29,3095 1577.29,3090 v1(1580,3090)
SARA_EN1V8: M1.128 U1.56 | length 1393.1
  Top Layer w5: U1.56@1503.31,2394.53 1544.53,2394.53 1545,2395
  Top Layer w10: 1545,2395 1914.14,2395 1924.14,2385 v1(1925,2385) ; v1(2520,1790) 2569.65,1740.35 M1.128@2625,1740.35
  Bottom Layer w10: v1(1925,2385) v1(2520,1790)
SARA_RTS_1.8: M1.207 U3.4 | length 1246.8
  Top Layer w10: U3.4@1892.99,3060 2047.29,3060 2052.29,3055 v1(2055,3055) ; v1(2715,2715) 2717.71,2715 2722.71,2710 2725,2710 2838.35,2596.65 M1.207@2947.83,2596.65
  Bottom Layer w10: v1(2055,3055) 2100,3055 2425,2730 2700,2730 v1(2715,2715)
SARA_RTS_3.3: U1.81 U3.11 | length 664.1
  Top Layer w5: U1.81@1272.01,2783.31 1272.01,2832.01
  Top Layer w10: 1272.01,2832.01 1272.01,3039.94 1273.09,3041.02 1273.09,3048.09 v1(1275,3050) ; v1(1550,3060) U3.11@1667.01,3060
  Bottom Layer w10: v1(1275,3050) 1275.86,3050 1285.86,3060 v1(1550,3060)
SARA_RX_1.8: M1.205 U3.3 | length 1246.4
  Top Layer w10: U3.3@1892.99,3034.41 1893.58,3035 v1(2015,3035) ; v1(2815,2575) 2817.71,2575 2819.67,2576.97 M1.205@2947.83,2576.97
  Bottom Layer w10: v1(2015,3035) 2035,3015 2475,2575 v1(2815,2575)
SARA_RX_3.3: U1.111 U3.12 | length 1327
  Top Layer w5: U1.111@666.69,2670.12 739.88,2670.12 v1(740,2670)
  Top Layer w10: v1(1485,3030) 1487.71,3030 1492.12,3034.41 U3.12@1667.01,3034.41
  Bottom Layer w10: v1(740,2670) 1290,2670 1320,2700 1320,3000 1350,3030 v1(1485,3030)
SARA_TX_1.8: M1.203 U3.2 | length 1257.2
  Top Layer w10: U3.2@1892.99,3008.82 1894.17,3010 v1(1980,3010) ; v1(2795,2540) 2870,2540 2887.28,2557.28 M1.203@2947.83,2557.28
  Bottom Layer w10: v1(1980,3010) 1982.71,3010 1987.71,3005 1990,3005 2455,2540 v1(2795,2540)
SARA_TX_3.3: U1.112 U3.13 | length 1319.2
  Top Layer w5: U1.112@666.69,2650.43 667.13,2650 720,2650
  Top Layer w10: 720,2650 735,2635 v1(770,2635) ; v1(1485,2985) 1508.82,3008.82 U3.13@1667.01,3008.82
  Bottom Layer w10: v1(770,2635) 1290,2635 1345,2690 1345,2959.14 1350.86,2965 1465,2965 v1(1485,2985)
SCK2: SPI.3 U1.74 | length 768.3
  Top Layer w8: U1.74@1409.8,2783.31 1410,2783.5 1410,2830
  Top Layer w10: 1410,2830 1410,3205 1450,3245 SPI.3@1450,3535
SCL: M1.185 U1.100 | length 2664.8
  Top Layer w5: U1.100@898.39,2783.7 898.39,2834.65
  Top Layer w8: U1.100@897.99,2783.31 U1.100@898.39,2783.7 ; v1(2720,2345) 2755.12,2380.12 M1.185@2947.83,2380.12
  Top Layer w10: 898.39,2834.65 898.39,3008.39 920,3030 v1(1025,3030)
  Bottom Layer w8: v1(1025,3030) 1125,3130 1720,3130 2505,2345 v1(2720,2345)
SCLK: M1.91 U1.41 | length 1773.9
  Top Layer w5: U1.41@1503.31,2099.25 1504.06,2100 1545,2100
  Top Layer w10: 1545,2100 v1(1925,2100) ; v1(2735,1535) 2795,1475 2795,1425 2843.82,1376.18 M1.91@2947.83,1376.18
  Bottom Layer w10: v1(1925,2100) 2490,1535 v1(2735,1535)
SDA: M1.187 U1.99 | length 2624.4
  Top Layer w5: U1.99@918.01,2783.64 918.01,2835.88
  Top Layer w8: U1.99@917.68,2783.31 U1.99@918.01,2783.64 ; v1(2725,2400) 2725.2,2399.8 M1.187@2947.83,2399.8
  Top Layer w10: 918.01,2835.88 918.01,2965.83 v1(945.52,2993.34)
  Bottom Layer w8: v1(945.52,2993.34) 1132.18,3180 1720,3180 2500,2400 v1(2725,2400)
STMUSB_N: D201.1 U1.103 USBB2.2 | length 1069.2
  Top Layer w6: 838.94,2845.36 840,2846.42
  Top Layer w7: U1.103@838.94,2783.31 838.94,2845.36 838.94,3311.06 ; USBB2.2@838.94,3778.78 838.94,3311.06 ; D201.1@898.27,3280 895.37,3282.9 867.1,3282.9 838.94,3311.06
STMUSB_P: D202.1 U1.104 USBB2.3 | length 1065.1
  Top Layer w7: D202.1@761.73,3280 766.44,3284.71 794.71,3284.71 819.25,3309.25 ; U1.104@819.25,2783.31 819.25,3309.25 ; USBB2.3@819.25,3778.78 819.25,3309.25
USB1_N: D404.1 J4.6 M1.115 | length 1244.4
  Top Layer w6: M1.115@2947.83,1612.4 2948.15,1612.09 3345.37,1612.09 3455,1721.72 3455,1870 ; J4.6@3475,2235 3505,2205 3533.28,2205 3575,2163.28 3575,2121.72 3455,2001.72 3455,1870 ; D404.1@3513.27,1840 3485,1840 3455,1870
USB1_P: D405.1 J4.7 M1.117 | length 1340.6
  Top Layer w6: M1.117@2947.83,1632.09 3337.09,1632.09 3435,1730 3435,1870 ; D405.1@3386.73,1840 3405,1840 3435,1870 ; J4.7@3475,2314 3425,2264 3425,2210 3450,2185 3525,2185 3555,2155 3555,2130 3435,2010 3435,1870
USB2_N: D403.1 J4.2 M1.121 | length 911.6
  Top Layer w6: M1.121@2947.83,1671.46 2948.15,1671.14 3009.43,1671.14 3175,1836.72 ; D403.1@3175,1766.73 3175,1836.72 ; J4.2@3372,2235 3341.14,2265.86 3334.14,2265.86 3280,2211.72 3280,1941.72 3175,1836.72
USB2_P: D406.1 J4.3 M1.123 | length 913.6
  Top Layer w6: M1.123@2947.83,1691.14 3001.14,1691.14 3175,1865 ; D406.1@3175,1938.27 3175,1865 ; J4.3@3372,2314 3338,2280 3320,2280 3260,2220 3260,1950 3175,1865
USR_BUTTON: M1.208 R308.2 USR.2 | length 1350.4
  Top Layer w10: M1.208@2625,2606.5 2703.79,2606.5 2707.29,2610 v1(2710,2610) ; v1(3505,3290) 3533.9,3318.9 R308.2@3533.9,3350 3540,3356.1 USR.2@3540,3462.76
  Bottom Layer w10: v1(2710,2610) 2710.18,2610.18 2770.18,2610.18 3450,3290 v1(3505,3290)
USR_LED: M1.230 R307.2 T302.1 | length 922.7
  Top Layer w10: M1.230@2625,2823.03 2715.33,2823.03 2717.29,2825 v1(2720,2825) ; v1(3075,3200) 3075,3280 3098.9,3303.9 R307.2@3125,3303.9 3125.98,3303.9 3132.68,3310.59 T302.1@3187.6,3310.59
  Bottom Layer w10: v1(2720,2825) 2890,2825 3075,3010 v1(3075,3200)
VBUSA1: C401.1 C402.1 C403.1 C404.1 J4.1 J4.5 SJ401.1 TP7.1 | length 716
  Top Layer w20: C401.1@3167.32,2075 C402.1@3167.32,2150 ; TP7.1@3169.53,2475 SJ401.1@3169.53,2345 3169.53,2152.2 C402.1@3167.32,2150 ; v1(3220,2135) 3182.32,2135 3170.12,2147.2 3170.12,2147.8 3167.91,2150 C402.1@3167.32,2150
  Layer 2 w20: v1(3220,2135) 3370,2135 J4.1@3372,2137 J4.5@3475,2137
VBUSB: T401.1@3250.59,1492.4 TP8.1 USBB1.1 | length 560.8
  Top Layer w10: v1(3500,1520) 3502.71,1520 3506.52,1523.82 USBB1.1@3568.5,1523.82
  Top Layer w20: T401.1@3250.59,1492.4 3267.4,1492.4 v1(3295,1520)
  Layer 2 w20: v1(3295,1520) 3365,1520 ; TP8.1@3305,1725 3305,1580 3365,1520 ; v1(3500,1520) 3365,1520
VDDA: C219.1 C220.1 FB1.2 U1.32 U1.33 | length 329.5
  Top Layer w5: U1.32@1350.75,1946.69 1350,1945.94 1350,1905 1350,1872.91 C220.1@1370,1852.91 ; U1.33@1370.43,1946.69 1370.43,1905.43 1370,1905 1390,1885 C219.1@1417.68,1885
  Top Layer w10: C220.1@1370,1852.91 C220.1@1370,1852.32 1423.62,1852.32 ; C219.1@1417.68,1885 1412.29,1879.61 1412.29,1863.65 1423.62,1852.32 ; FB1.2@1449.88,1830 1445.94,1830 1423.62,1852.32
pads on no net: HDMIPORT.14 J2.MH1 J2.MH2 J4.9 J4.11 M1.3 M1.4 M1.5 M1.6 M1.9 M1.10 M1.11 M1.12 M1.15 M1.16 M1.17 M1.18 M1.21 M1.22 M1.23 M1.24 M1.27 M1.28 M1.29 M1.30 M1.33 M1.34 M1.35 M1.36 M1.39 M1.40 M1.41 M1.42 M1.45 M1.46 M1.47 M1.48 M1.51 M1.52 M1.53 M1.54 M1.57 M1.58 M1.59 M1.60 M1.64 M1.66 M1.70 M1.72 M1.76 M1.78 M1.82 M1.84 M1.87 M1.88 M1.90 M1.92 M1.97 M1.103 M1.104 M1.105 M1.106 M1.108 M1.110 M1.112 M1.114 M1.116 M1.118 M1.120 M1.122 M1.130 M1.131 M1.133 M1.134 M1.136 M1.137 M1.139 M1.140 M1.142 M1.143 M1.145 M1.148 M1.149 M1.150 M1.151 M1.154 M1.155 M1.156 M1.157 M1.160 M1.161 M1.162 M1.163 M1.166 M1.167 M1.168 M1.169 M1.172 M1.173 M1.174 M1.175 M1.178 M1.179 M1.180 M1.181 M1.182 M1.183 M1.184 M1.186 M1.188 M1.189 M1.190 M1.191 M1.192 M1.193 M1.194 M1.195 M1.196 M1.197 M1.198 M1.199 M1.202 M1.204 M1.210 M1.213 M1.215 M1.219 M1.220 M1.221 M1.222 M1.223 M1.224 M1.225 M1.226 M1.227 M1.229 M1.232 M1.233 M1.234 M1.240 M1.M REC1.10 REC1.11 RST1.10 RST1.11 STLINK.11 STLINK.17 STLINK.19 U1.1 U1.2 U1.3 U1.4 U1.5 U1.7 U1.8 U1.9 U1.11 U1.12 U1.13 U1.14 U1.15 U1.18 U1.19 U1.20 U1.21 U1.22 U1.29 U1.36 U1.37 U1.44 U1.45 U1.49 U1.50 U1.53 U1.54 U1.55 U1.60 U1.63 U1.64 U1.65 U1.66 U1.67 U1.68 U1.69 U1.70 U1.77 U1.78 U1.79 U1.82 U1.85 U1.86 U1.87 U1.88 U1.89 U1.90 U1.91 U1.92 U1.93 U1.96 U1.97 U1.98 U1.101 U1.102 U1.113 U1.114 U1.115 U1.116 U1.117 U1.118 U1.119 U1.122 U1.123 U1.124 U1.125 U1.126 U1.127 U1.128 U1.129 U1.132 U1.135 U1.136 U1.137 U1.139 U1.140 U1.141 U1.142 U2.6 U2.9 U3.6 U3.9 U4.4 U4.5 U4.6 U101.4 USBB1.4 USBB2.4 USR.10 USR.11
copper on no net:
  other v4: 185,145 3545,145 185,3765 3545,3765

## Polygon pours and split planes (outlines as drawn)
GND on Layer 1 "GND_L02_P000" (solid, pour order 0): 50,3555 320,3825 3422.57,3825 3720,3527.57 3720,308.02 3461.98,50 280,50 50,280
CHGND on Bottom Layer "CHGND_L04_P002" (solid, pour order 2): 50.12,3555.12 325,3830 3416.93,3830 3738.47,3508.47 3725,3495 3725,310 3720,310 3455,45 290,45 40,295
3.3V on Layer 2 "3V3Power" (solid, pour order 3): 555,2850 615,2910 1635,2910 1700,2845 1700,1785 1640,1725 615,1725 555,1785

## Silkscreen, mask and mechanical layers (free items; w line width, h text height)
Top Overlay:
  text "GND" at 3281,2701 h32
  text "HIL COMPUTE MOD / I/O TEST BOARD / RPL 2022" at 585,100 h60
Mechanical 1:
  lines w10: 3520.39,3955.75 cw(c3515.88,3725.8) 3745.87,3725.8 3745.87,3501.69 ; 3520.39,3955.8 240.02,3955.8 ccw(c235,3720) 0,3740 0,3515 0,225 ccw(c224.73,225) 220.32,0.31 3505,0.31 ccw(c3505,240.05) 3744.69,235.35 ; 3745.55,335.57 3745.55,3501.38 ; 3745.65,238.67 3745.65,333.58

## Text inside footprints (layer, text, board x,y; h text height)
HDMIPORT: Top 3D Body "PCB Edge" at 3781.14,993.59 h24 r90
M1: Top Courtyard "its real position may differ" at 2830,505 h30 r90; Top Courtyard "module mounting holes placement taken from 3D models" at 2750,490 h30 r90
STLINK: Top Overlay "20" at 147.64,2969.09 h32 r90; Top Overlay "19" at 403.54,2969.09 h32 r90; Top Overlay "1" at 403.54,1969.09 h32 r90; Top Overlay "2" at 147.64,1957.28 h32 r90
USBB1: Mechanical 1 "PCB Edge" at 3736.42,1749.21 h29.53 r90
USBB2: Mechanical 1 "PCB Edge" at 640.79,3946.42 h29.53 r180